# Altium PCB Batt_monitor.PcbDoc (part 1 of 2)
Units mm, origin at the board's own origin, x right, y up, seen from the top; angles counter-clockwise.
Board outline 100 x 48.5 mm, 2 copper layers (Top Layer, Bottom Layer), stack 1.58 mm thick; 113 components, 84 nets, 409 pads, 963 vias.
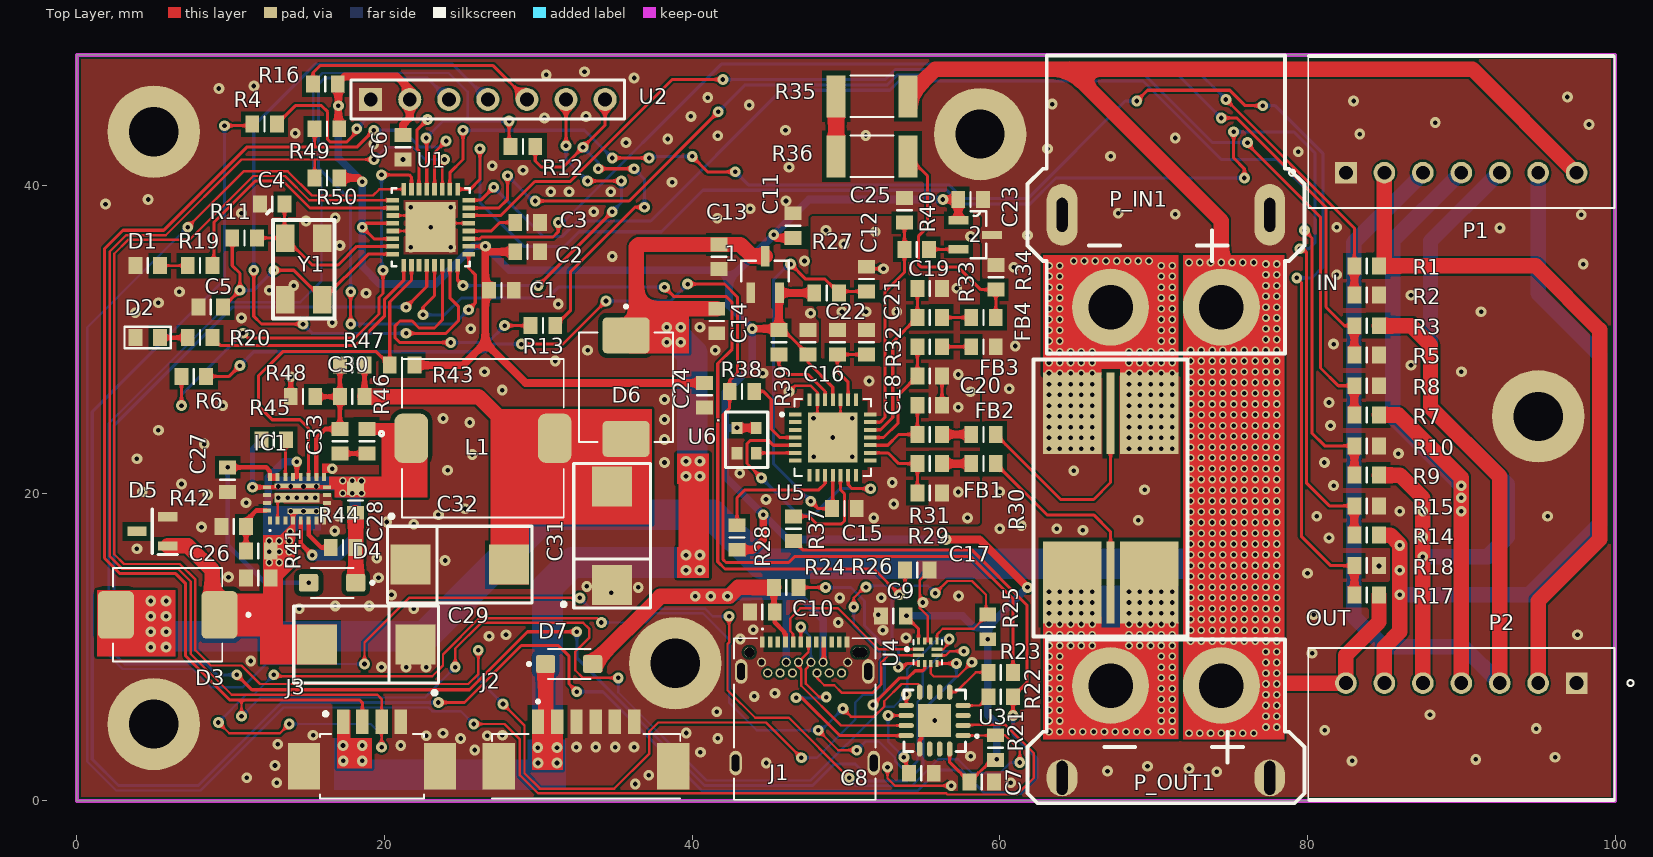
[diagram p0: Top Layer view]
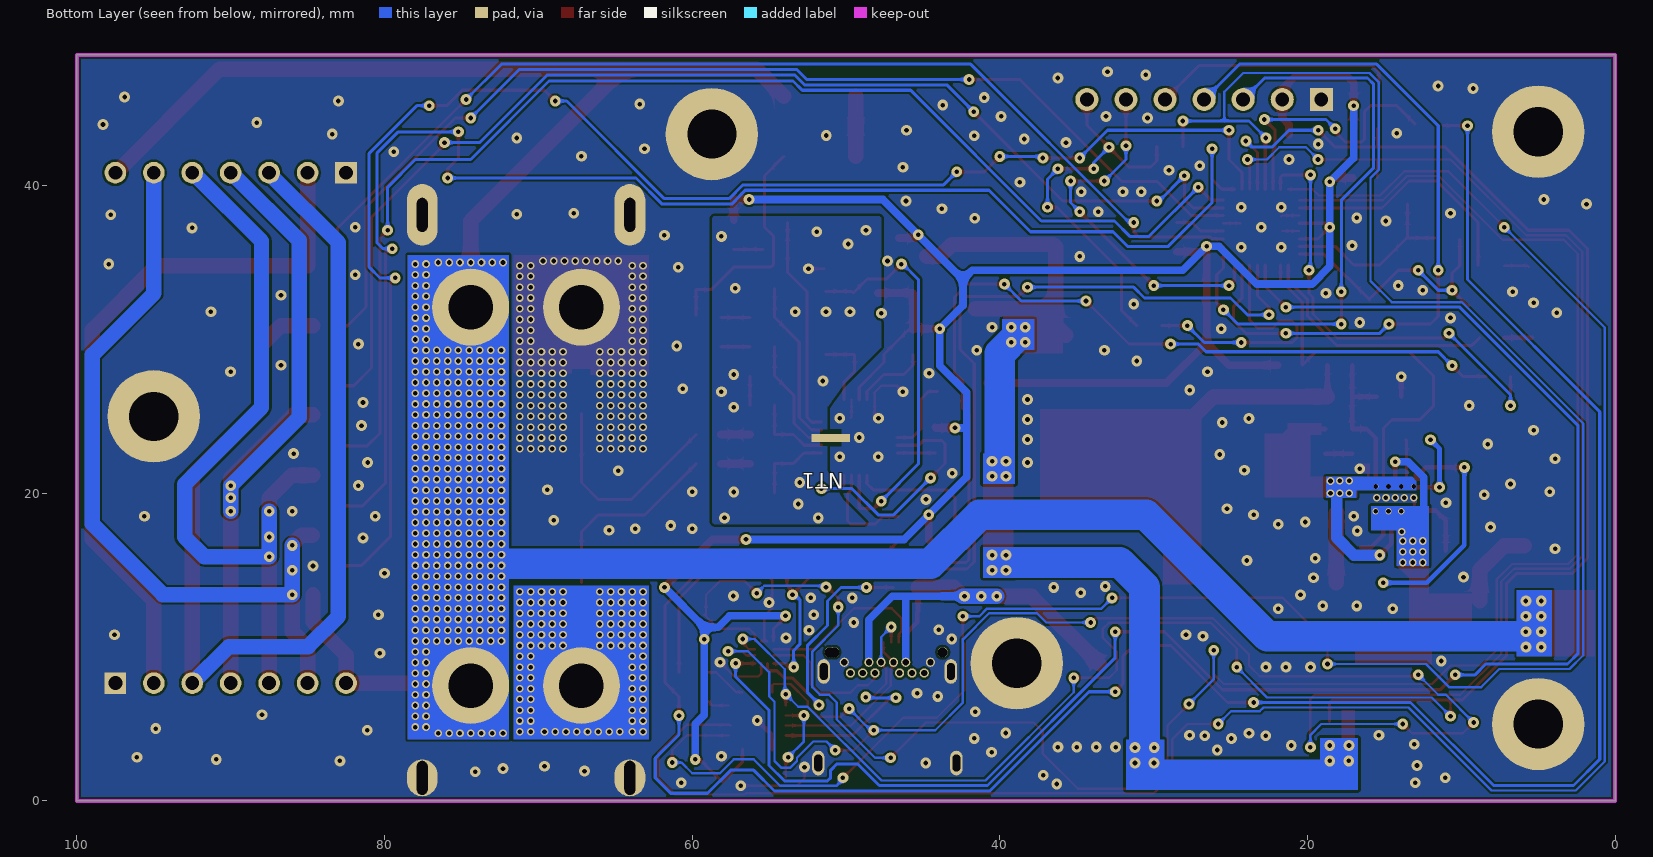
[diagram p1: Bottom Layer view, seen from below]
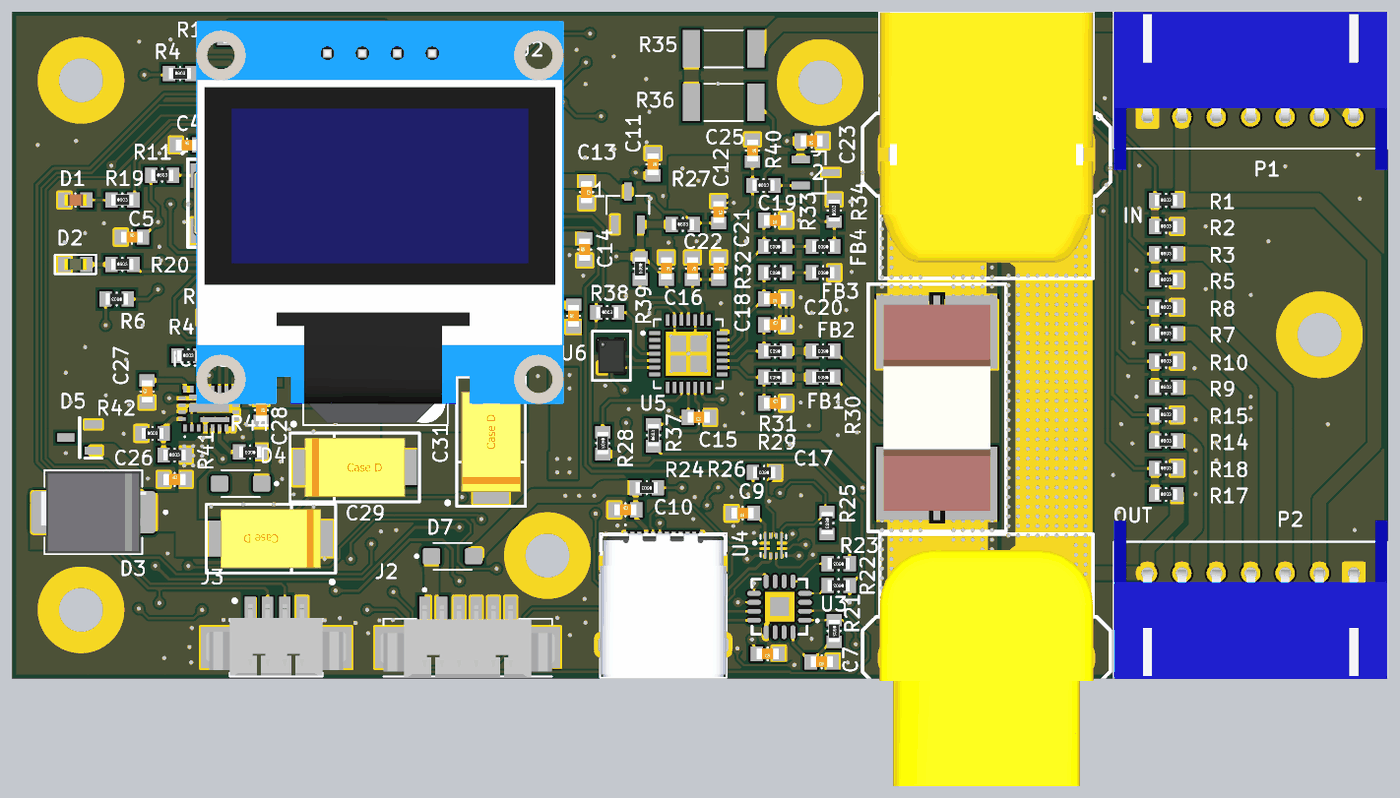
[diagram p3: 3D render of the assembled board from above, using the file's embedded part models]

## Layer stack, top to bottom
Top Solder: solder mask 0.0102, Solder Resist, Dk 3.5
Top Layer: signal copper 0.0356
Dielectric 1: dielectric 1.5086, FR-4, Dk 4.8
Bottom Layer: signal copper 0.0356
Bottom Solder: solder mask 0.0102, Solder Resist, Dk 3.5

## Board outline
0,0 100,0 100,48.5 0,48.5

## Design rules (kind name [scope] priority, off if disabled: settings)
Clearance [All] p1: gap=0.15 ignorepadtopadclearanceinfootprint=FALSE except(0: Arc-Hole Track-Hole SMDPad-Hole THPad-Hole Via-Hole Fill-Hole Poly-Hole Region-Hole Text-Hole; 0.3: SMDPad-Poly)
DiffPairsRouting [All] p1: maxlimit=0.2 minlimit=0.2 mostfreqgap=0.2 toplayer_minwidth=0.2 toplayer_maxwidth=0.2 toplayer_prefwidth=0.2 bottomlayer_minwidth=0.2 bottomlayer_maxwidth=0.2 bottomlayer_prefwidth=0.2 maxuncoupledlength=12.7
PlaneClearance [All] p1: clearance=0.5
PlaneConnect [All] p1: planeconnectstyle=Direct reliefexpansion=0.508 reliefentries=4 reliefconductorwidth=0.254 reliefairgap=0.254
PolygonConnect [All] p1: connectstyle=Direct reliefconductorwidth=0.254 reliefentries=4 polygonreliefangle="90 Angle" airgapwidth=0.254
RoutingVias [All] p1: holewidth=0.3 width=0.7 viastyle="Through Hole" minholewidth=0.3 minwidth=0.4 maxholewidth=0.3 maxwidth=0.7
SilkToSolderMaskClearance [IsPad] p1: minsilkscreentomaskgap=0.1 clearancetoexposedcopper=TRUE
SolderMaskExpansion [All] p1: expansion=0.15 istentingtop=FALSE
UnpouredPolygon [All] p1 off:
Width [All] p1: maxlimit=3 minlimit=0.1 preferedwidth=0.2 toplayer_minwidth=0.15 minimp=50.000000 maximp=50.000000 favimp=50.000000
25 further rules are at their usual default settings.

## Classes and differential pairs
component class uC: BT1 C1 C2 C3 C4 C5 C6 D1 D2 EEPROM1 J3 P1 P2 P5 R1 R2 R3 R4 R5 R6 R7 R8 R9 R10 R11 R12 R13 R14 R15 R16 R17 R18 R19 R20 R49 R50 RTC1 U1 U2 Y1 Y2
component class Power: C26 C27 C28 C29 C30 C31 C32 C33 D3 D4 D5 D6 D7 IC1 J2 L1 R41 R42 R43 R44 R45 R46 R47 R48
component class MCP39F511A: 1 2 C11 C12 C13 C14 C15 C16 C17 C18 C19 C20 C21 C22 C23 C24 C25 FB1 FB2 FB3 FB4 NT1 P_IN1 P_OUT1 R27 R28 R29 R30 R31 R32 R33 R34 R35 R36 R37 R38 R39 R40 U5 U6 U9
component class usb: C7 C8 C9 C10 J1 R21 R22 R23 R24 R25 R26 U3 U4

## Components (designator, comment, footprint, x,y, rotation, side; value= is the part's Value field where it differs from the comment)
1 "MCP1703T-3302E/CB" SOT95P300X145-3N 44.739,34.224 r0 top
2 "MCP9700AT-E/TT" SOT95P237X112-3N 58.4,36.8 r0 top
C1 "" CAP0603M 27.6,33.2 r0 top
C2 "" CAP0603M 29.3,35.7 r0 top
C3 "" CAP0603M 29.3,37.6 r0 top
C4 "Cap" CAP0603M 12.7,38.8 r0 top
C5 "Cap" CAP0603M 8.7,32.1 r0 top
C6 "" CAP0603M 21.2,42.5 r270 top
C7 "" CAP0603M 58.83,1.225 r180 top
C8 "" CAP0603M 54.9,1.8 r180 top
C9 "" CAP0603M 53.08,12.029 r180 top
C10 "" CAP0603M 44.564,12.275 r0 top
C11 "" CAP0603M 46.564,37.4 r270 top
C12 "" CAP0603M 51.339,33.925 r270 top
C13 "" CAP0603M 41.739,35.374 r270 top
C14 "" CAP0603M 41.6,31.2 r90 top
C15 "" CAP0603M 49.9,19 r180 top
C16 "" CAP0603M 47.539,29.824 r270 top
C17 "" CAP0603M 55.439,20.024 r0 top
C18 "" CAP0603M 55.439,25.724 r0 top
C19 "" CAP0603M 55.439,33.324 r180 top
C20 "" CAP0603M 55.439,27.624 r180 top
C21 "" CAP0603M 51.339,29.824 r270 top
C22 "" CAP0603M 49.439,29.825 r270 top
C23 "" CAP0603M 58.1,39.1 r180 top
C24 "" CAP0603M 40.796,26.375 r90 top
C25 "" CAP0603M 53.8,38.4 r270 top
C26 "" CAP0603M 11.8,14.48 r0 top
C27 "" CAP0603M 9.8,20.88 r90 top
C28 "" CAP0603M 18.1,19.53 r270 top
C29 "" "Tantal D" 18.8,10.18 r180 top
C30 "" CAP0603M 17.9,26.28 r0 top
C31 "" "Tantal D" 34.8,17.23 r90 top
C32 "" "Tantal D" 24.9,15.355 r0 top
C33 "" CAP0603M 17.1,23.38 r270 top
D1 "LED234" LED0603M_RED 4.6,34.8 r180 top
D2 "LED234" LED0603M_GREEN 4.6,30.12 r180 top
D3 "B540C-13-F" B540C-13-F 5.9,12.1 r180 top
D4 "SS14FL" SODFL3617X108N 16.6,14.18 r180 top
D5 "CDSOT23-T15LC" SOT95P230X117-3N 4.9,17.53 r180 top
D6 "B540C-13-F" B540C-13-F 35.7,26.897 r270 top
D7 "SS14FL" SODFL3617X108N 32,8.9 r0 top
FB1 "" RES0603M 58.939,21.925 r180 top
FB2 "" RES0603M 58.939,23.824 r180 top
FB3 "" RES0603M 58.939,29.524 r180 top
FB4 "" RES0603M 58.939,31.424 r180 top
IC1 "MIC285131YFLTR" MIC285131YFLTR 14.3,19.63 r0 top
J1 "12401548E4#2A" 12401548E4#2A 47.314,5.325 r0 top
J2 "53261-0671" 53261-0671 33.1,5.159 r0 top
J3 "0532610471" 0532610471 19.185,5.159 r0 top
L1 "SRR1050A-6R8Y" SRR1050A-6R8Y 26.4,23.58 r0 top
NT1 "Net Tie" NET_TIE_0.5mm 51,23.6 r180 bottom net-tie
P1 "Header 7" S7B-XH-A-1 90,44.3 r0 top
P2 "Header 7" S7B-XH-A-1 90,4.2 r180 top
P_IN1 "IN" XT60PW-M 70.8,32.1 r0 top
P_OUT1 "OUT" XT60PW-F 70.8,7.5 r180 top
R1 "Res1" RES0603M 83.85,34.78 r0 top
R2 "Res1" RES0603M 83.849,32.88 r0 top
R3 "Res1" RES0603M 83.849,30.893 r0 top
R4 "Res1" RES0603M 12.2,44 r0 top
R5 "Res1" RES0603M 83.85,28.993 r0 top
R6 "Res1" RES0603M 7.6,27.6 r180 top
R7 "Res1" RES0603M 83.85,25.093 r0 top
R8 "Res1" RES0603M 83.849,26.993 r0 top
R9 "Res1" RES0603M 83.85,21.18 r0 top
R10 "Res1" RES0603M 83.85,23.08 r0 top
R11 "Res1" RES0603M 10.9,36.6 r0 top
R12 "Res1" RES0603M 29,42.544 r0 top
R13 "Res1" RES0603M 30.3,30.9 r0 top
R14 "Res1" RES0603M 83.849,17.28 r0 top
R15 "Res1" RES0603M 83.849,19.18 r0 top
R16 "Res1" RES0603M 16.156,46.6 r180 top
R17 "Res1" RES0603M 83.849,13.393 r0 top
R18 "Res1" RES0603M 83.85,15.293 r0 top
R19 "Res1" RES0603M 8.005,34.8 r0 top
R20 "Res1" RES0603M 8.005,30.12 r0 top
R21 "Res1" RES0603M 59.73,3.465 r270 top
R22 "Res1" RES0603M 60.055,6.773 r180 top
R23 "Res1" RES0603M 60.055,8.357 r180 top
R24 "Res1" RES0603M 46.114,13.88 r180 top
R25 "Res1" RES0603M 59.214,11.311 r270 top
R26 "Res1" RES0603M 54.639,15 r180 top
R27 "" RES0603M 48.739,33.025 r0 top
R28 "Resistor" RES0603M 42.914,17.124 r270 top
R29 "Resistor" RES0603M 55.439,21.924 r180 top
R30 "Shunt 4 Pin" 5931 67.2,19.7 r270 top
R31 "Resistor" RES0603M 55.439,23.824 r180 top
R32 "Resistor" RES0603M 55.439,29.524 r180 top
R33 "Resistor" RES0603M 55.439,31.424 r180 top
R34 "Resistor" RES0603M 59.739,34.037 r90 top
R35 "Resistor" RES2010 51.7,45.8 r180 top
R36 "Resistor" RES2010 51.7,41.9 r180 top
R37 "Res1" RES0603M 46.6,17.7 r90 top
R38 "Res1" RES0603M 43.239,26.624 r0 top
R39 "Resistor" RES0603M 45.639,29.824 r270 top
R40 "Resistor" RES0603M 54.6,35.86 r0 top
R41 "Res1" RES0603M 11.8,16.255 r0 top
R42 "Res1" RES0603M 10.2,17.83 r0 top
R43 "Res1" RES0603M 21.14,28.33 r180 top
R44 "Res1" RES0603M 17.3,16.48 r180 top
R45 "Res1" RES0603M 12.8,23.48 r0 top
R46 "Res1" RES0603M 18.85,23.38 r270 top
R47 "Res1" RES0603M 17.9,28.33 r180 top
R48 "Res1" RES0603M 14.7,26.28 r180 top
R49 "Res1" RES0603M 16.256,43.7 r180 top
R50 "Res1" RES0603M 16.256,40.5 r180 top
U1 "ATMEGA328P-MN" QFN50P500X500X100-33N 23,37.3 r0 top
U2 "SSD1306" SSD1306 19.1,45.6 r0 top
U3 "MCP2221" QFN65P400X400X95-17N 55.764,5.225 r180 top
U4 "TUSB320LIRWBR" 12-x2qfn 55.314,9.665 r0 top
U5 "MCP39F511 QFN-28" QFN50P500X500X100-29N 49.139,23.624 r0 top
U6 "OSCILLATOR DSC1001" DSC60xx 43.539,23.424 r270 top
Y1 "XTAL" ABM3B 14.76,34.574 r270 top

## Footprints (in the part's own frame and the unit in brackets; to place one, negate y for a bottom-side part, rotate by r counter-clockwise, add the part's x,y. Pads: shape width x height; smd on the part's side, far side on the other; paste and mask are expansions set on the pad)
12-x2qfn [mm]
  rect 0.7x0.22 smd paste-1 mask+0: 1(-0.6,0.2) 2(-0.6,-0.2) 7(0.6,-0.2) 8(0.6,0.2)
  rect 0.22x0.45 smd paste-1 mask+0: 3(-0.6,-0.725) 4(-0.2,-0.725) 5(0.2,-0.725) 6(0.6,-0.725) 9(0.6,0.725) 10(0.2,0.725) 11(-0.2,0.725) 12(-0.6,0.725)
  silkscreen extent -1.45,-0.8 0.93,0.8
5931 [mm]
  rect 5.3x3.8 smd: 1(-5.5,2.5) 1(-5.5,-2.5) 2(5.5,2.5) 2(5.5,-2.5)
  rect 5.3x0.5 smd: 3(-5.5,0) 4(5.5,0)
  silkscreen extent -9,-5 9,5, body extent -7.5,-3.87 7.5,3.88, height 2
53261-0671 [mm]
  rect 0.8x1.6 smd: 1(-3.125,0) 2(-1.875,0) 3(-0.625,0) 4(0.625,0) 5(1.875,0) 6(3.125,0)
  rect 2.1x3 smd: S1(-5.675,-2.9) S2(5.675,-2.9)
  silkscreen extent -6.12,-5 6.12,1.4, body extent -6.32,-5.04 6.33,0.16, height 3.4
12401548E4#2A [mm]
  rect 0.3x0.7 smd: A1(-2.75,5) A2(-2.25,5) A3(-1.75,5) A4(-1.25,5) A5(-0.75,5) A6(-0.25,5) A7(0.25,5) A8(0.75,5) A9(1.25,5) A10(1.75,5) A11(2.25,5) A12(2.75,5)
  round 0.6 hole 0.4: B1(2.8,3.69) B2(2.4,2.99) B3(1.6,2.99) B4(1.2,3.69) B5(0.8,2.99) B6(0.4,3.69) B7(-0.4,3.69) B8(-0.8,2.99) B9(-1.2,3.69) B10(-1.6,2.99) B11(-2.4,2.99) B12(-2.8,3.69)
  oval 0.8x1.6 hole 0.5 slot 1.1 at 90 deg: SH1(-4.13,3.09) SH2(4.13,3.09) SH3(-4.49,-2.86) SH4(4.49,-2.86)
  round 0.65 hole 0.65 unplated: ""(-3.6,4.34) ""(3.45,4.34) ""(3.75,4.34)
  silkscreen extent -4.6,-5.25 4.6,5.9, body extent -4.6,-5.21 4.6,5.29, height 3.39
0532610471 [mm]
  rect 0.8x1.6 smd: 1(-1.875,0) 2(-0.625,0) 3(0.625,0) 4(1.875,0)
  rect 2.1x3 smd: S1(-4.425,-2.9) S2(4.425,-2.9)
  silkscreen extent -3.37,-5 3.37,0.62, body extent -5.07,-4.95 5.07,0.25, height 3.5
ABM3B [mm]
  rect 1.8x1.2 smd: 1(-2,-1.2) 2(2,-1.2) 3(2,1.2) 4(-2,1.2)
  silkscreen extent -3.8,-2.4 3.2,2, body extent -2.5,-1.6 2.5,1.6, height 1.1
B540C-13-F [mm]
  rrect25% 2.33x3.07 smd: A(3.365,0) C(-3.365,0)
  silkscreen extent -5.35,-3.05 3.55,3.05, body extent -3.98,-2.95 3.97,2.95, height 1
CAP0603M [mm] "Chip Resistor, Body 1.6x0.8mm, IPC Low Density"
  rect 0.9x1.1 smd: 1(-0.8,0) 2(0.8,0)
  silkscreen extent 0,-0.47 0,0.48, body extent -0.8,-0.4 0.8,0.4, height 0.3
DSC60xx [mm]
  rect 0.8x0.7 smd: 1(-0.825,-0.625) 2(0.825,-0.625) 3(0.825,0.625) 4(-0.825,0.625)
  silkscreen extent -1.85,-1.37 1.75,1.38, body extent -1.28,-0.97 1.22,1.03, height 0.82
LED0603M_GREEN [mm] "Chip Resistor, Body 1.6x0.8mm, IPC Low Density"
  rect 0.9x1.1 smd: 1(-0.8,0) 2(0.8,0)
  silkscreen extent -1.5,-0.7 1.5,0.7, body extent -0.81,-0.4 0.81,0.4, height 1.1
LED0603M_RED [mm] "Chip Resistor, Body 1.6x0.8mm, IPC Low Density"
  rect 0.9x1.1 smd: 1(-0.8,0) 2(0.8,0)
  silkscreen extent 0,-0.47 0,0.48, body extent -0.81,-0.4 0.81,0.4, height 1.1
MIC285131YFLTR [mil]
  rect 10x20 smd: 1(-68.9,-55.12) 2(-49.21,-55.12) 3(-29.53,-55.12) 4(-9.84,-55.12) 5(10,-55.12) 6(30,-55.12) 7(50,-55.12) 8(69,-55.12) 13(69,56) 14(50,56) 15(30,56) 16(10,56) 17(-9.84,56) 18(-29.53,56) 19(-49.21,56) 20(-68.9,56)
  rect 20x10 smd: 9(77,-29.53) 10(77,-9.84) 11(77,10) 12(77,30) 21(-76.77,30) 22(-76.77,10) 23(-76.77,-9.84) 24(-76.77,-29.53)
  rect 82x14.96 smd: 25(17,-31.3)
  rect 115x24 smd: 26(0,3)
  rect 115x11.81 smd: 27(0,34)
  silkscreen extent -71,-83 -67,-79, body extent -80,-55 80,55, height 39
NET_TIE_0.5mm [mm]
  rect 0.8x0.5 smd paste-2 mask+0.15: 0(0,0)
  rect 1x0.5 smd paste-2 mask+0.15: 1(0.75,0) 2(-0.75,0)
QFN50P500X500X100-29N [mm]
  rect 0.81x0.26 smd: 1(-2.45,1.5) 2(-2.45,1) 3(-2.45,0.5) 4(-2.45,0) 5(-2.45,-0.5) 6(-2.45,-1) 7(-2.45,-1.5) 15(2.45,-1.5) 16(2.45,-1) 17(2.45,-0.5) 18(2.45,0) 19(2.45,0.5) 20(2.45,1) 21(2.45,1.5)
  rect 0.26x0.81 smd: 8(-1.5,-2.45) 9(-1,-2.45) 10(-0.5,-2.45) 11(0,-2.45) 12(0.5,-2.45) 13(1,-2.45) 14(1.5,-2.45) 22(1.5,2.45) 23(1,2.45) 24(0.5,2.45) 25(0,2.45) 26(-0.5,2.45) 27(-1,2.45) 28(-1.5,2.45)
  rect 3.25x3.25 smd paste-3: 29(0,0)
  silkscreen extent -3.4,-2.5 2.5,2.5
QFN50P500X500X100-33N [mil]
  rect 32x12 smd: 1(-97,69) 2(-97,49) 3(-97,30) 4(-97,10) 5(-97,-10) 6(-97,-30) 7(-97,-49) 8(-97,-69) 17(97,-69) 18(97,-49) 19(97,-30) 20(97,-10) 21(97,10) 22(97,30) 23(97,49) 24(97,69)
  rect 12x32 smd: 9(-69,-97) 10(-49,-97) 11(-30,-97) 12(-10,-97) 13(10,-97) 14(30,-97) 15(49,-97) 16(69,-97) 25(69,97) 26(49,97) 27(30,97) 28(10,97) 29(-10,97) 30(-30,97) 31(-49,97) 32(-69,97)
  rect 128x128 smd: 33(0,0)
  silkscreen extent -100,-100 100,100
QFN65P400X400X95-17N [mm]
  oval 1x0.35 smd: 1(-1.85,0.975) 2(-1.85,0.325) 3(-1.85,-0.325) 4(-1.85,-0.975) 9(1.85,-0.975) 10(1.85,-0.325) 11(1.85,0.325) 12(1.85,0.975)
  oval 0.35x1 smd: 5(-0.975,-1.85) 6(-0.325,-1.85) 7(0.325,-1.85) 8(0.975,-1.85) 13(0.975,1.85) 14(0.325,1.85) 15(-0.325,1.85) 16(-0.975,1.85)
  rect 2.15x2.15 smd paste-2: 17(0,0)
  silkscreen extent -2.85,-2 2,2
RES0603M [mm] "Chip Resistor, Body 1.6x0.8mm, IPC Low Density"
  rect 0.9x1.1 smd: 1(-0.8,0) 2(0.8,0)
  silkscreen extent 0,-0.47 0,0.48, body extent -0.8,-0.41 0.8,0.41, height 0.45
RES2010 [mm]
  rect 1.24x2.72 smd: 1(-2.34,0) 2(2.34,0)
  silkscreen extent -1.4,-1.35 1.4,1.35
S7B-XH-A-1 [mm]
  rect 1.408x1.408 hole 0.9: 1(-7.5,-3.46)
  round 1.408 hole 0.9: 2(-5,-3.46) 3(-2.5,-3.46) 4(0,-3.46) 5(2.5,-3.46) 6(5,-3.46) 7(7.5,-3.46)
  silkscreen extent -11.2,-5.75 9.95,4.14, body extent -9.95,-7.31 9.95,4.19, height 6.15
SODFL3617X108N [mm]
  rrect25% 1.25x1.16 smd: A(1.53,0) C(-1.53,0)
  silkscreen extent -2.71,-0.97 1.38,0.97
SOT95P230X117-3N [mm]
  rect 1.25x0.6 smd: 1(-1,0.95) 2(-1,-0.95) 3(1,0)
  silkscreen extent -1.63,-1.45 0.03,1.5
SOT95P237X112-3N [mil]
  rect 52x22 smd: 1(-43,37) 2(-43,-37)
  rect 52x20 smd: 3(43,0)
  silkscreen extent -11,-60 28,60
SOT95P300X145-3N [mil]
  rect 22x52 smd: 1(-37,-47) 2(37,-47) 3(0,47)
  silkscreen extent -61,-17 61,35
SRR1050A-6R8Y [mm]
  rrect50% 2.19x3.21 smd: 1(-4.66,0) 2(4.66,0)
  silkscreen extent -6.74,-5.15 5.25,5.15, body extent -5.1,-5 5.1,5, height 4.9
SSD1306 [mm] "Connector; Header; 7 Position"
  rect 1.5x1.5 hole 0.9: 1(0,0)
  round 1.5 hole 0.9: 2(2.54,0) 3(5.08,0) 4(7.62,0) 5(10.16,0) 6(12.7,0) 7(15.24,0)
  silkscreen extent -1.27,-1.27 16.51,1.27, body extent -5.73,-25.64 20.97,2.22, height 11.47
"Tantal D" [mm] "Capacitor, SM Tantalum; Body 7.3 x 6.0 mm (LxW typ)"
  rect 2.6x2.6 smd: 1(-3.2,0) 2(3.2,0)
  silkscreen extent -4.7,-2.5 4.7,3.27, body extent -3.65,-2.15 3.65,2.15, height 2.8
XT60PW-F [mm]
  oval 2x2.4 hole 0.7 slot 2.2 at 90 deg: 1(-6.75,6) 1(6.75,6)
  round 5 hole 2.9: 1(-3.6,0) 2(3.6,0)
  silkscreen extent -9,-3 9,7.65, body extent -7.75,-1.85 7.75,15.35, height 0.5
XT60PW-M [mm]
  oval 2x4 hole 0.7 slot 2.2 at 90 deg: 1(-6.75,6) 1(6.75,6)
  round 5 hole 2.9: 1(-3.6,0) 2(3.6,0)
  silkscreen extent -9,-3 9,16.35, body extent -7.75,-1.85 7.75,16.35, height 0.75

## Part data
1: "Linear Voltage Regulator IC 1 Output 250mA SOT-23A-3"
2: "Temperature Sensor Analog, Local -40Â°C ~ 125Â°C 10mV/Â°C SOT-23-3"
C1 C2 C3 C6 C9 C10 C12 C26 C27 C28 C29 C30 C31 C32 C33: library part CAP1183, "Capacitor"
C4 C5: "Capacitor"
C7 C14 C15 C16 C22 C23 C24 C25: library part CAP1345, "Capacitor"
C8: library part CAP1224, "Capacitor"
C11 C13 C21: library part CAP1288, "Capacitor"
C17 C18 C19 C20: library part CAP1257, "Capacitor"
D1 D2: library part LED0, "Typical INFRARED GaAs LED"
D3 D6: "Diode Schottky 40V 5A Surface Mount SMC"
D4 D7: "Diode Schottky 40V 1A Surface Mount SOD-123F"
D5: library part CDSOT23-T24CAN, "40V Clamp 8A _8/20Âµs_ Ipp Tvs Diode Surface Mount SOT-23"
FB1 FB2 FB3 FB4: library part IND1351
IC1: library part MIC28513-1YFL-TR
J1: "USB-C _USB TYPE-C_ USB 3.1 _USB 3.1 Gen 2, Superspeed+_ Receptacle Connector 24 Position Surface Mount, Right Angle; Through Hole"
J2: "Picoblade Connector, 6 Circuit Single Row, Right Angle Surface Mount SMT PCB"
J3: "Picoblade Connector, 4 Circuit Single Row, Right Angle Surface Mount SMT PCB"
L1: library part Inductor, "Inductor"
NT1: library part RES1102
P1 P2: "Header, 7-Pin"
P_IN1 P_OUT1: library part "Header 2", "Header, 2-Pin"
R1 R2 R3 R4 R5 R6 R7 R8 R9 R10 R11 R12 R13 R14 R15 R16 R17 R18 R19 R20 R21 R22 R23 R24 R25 R26 R37 R38 R41 R42 R43 R44 R45 R46 R47 R48 R49 R50: "Resistor"
R27: library part RES1305, "Resistor"
R28 R39: library part RSMT0439
R29 R31 R32 R33: library part RES1022
R30: library part RES1247, "Shunt"
R34: library part RSMT0138
R35 R36: library part RSMT1084
R40: library part RSMT1038
U1: "AVR AVRÂ® ATmega Microcontroller IC 8-Bit 20MHz 32KB _16K x 16_ FLASH 32-VQFN _5x5_"
U4: "Imported"
U5: library part MIC6226, "ADC"
U6: library part OSC1131
Y1: "Crystal Oscillator"

## Free pads (board coordinates)
  round 6 hole 3.2: 0(5,5) 0(5,43.5) 0(38.895,8.946) 0(58.72,43.35) 0(95,25)

## Via types
v1: diameter 0.5, hole 0.3, Top Layer to Bottom Layer, tented both sides, 559 vias
v2: diameter 0.7, hole 0.3, Top Layer to Bottom Layer, tented both sides, 397 vias
v3: diameter 0.31, hole 0.3, Top Layer to Bottom Layer, tented both sides, 4 vias
v4: diameter 0.4, hole 0.3, Top Layer to Bottom Layer, tented both sides, 3 vias

## Nets (pads, with @x,y where several pads share a name; then routed paths per layer and width w, separated by ;. In a path a pad name is that pad's centre, name@x,y a point inside that pad or via, vN(x,y) a via of type N, cw(c..) or ccw(c..) an arc to the next point about the centre after c; other vN are vias at no path point)
3.3VA: C12.2 C15.2 R27.2 U5.11 | length 26.4
  Top Layer w0.2: v2(46.4,34.9) 47.375,33.925 48.639,33.925 R27.2@49.539,33.025 49.639,33.125 C12.2@51.339,33.125 ; v2(47.714,19.486) 48.2,19 C15.2@49.1,19 ; C15.2@49.139,19.039 U5.11@49.139,21.174
  Bottom Layer w0.2: v2(46.4,34.9) 46.3,34.9 45.3,33.9 45.3,21.9 v2(47.714,19.486)
3.3VD: 1.2 2.1 C1.1 C2.1 C6.1 C7.2 C9.1 C11.2 C16.2 C23.2 C24.2 R16.1 R21.2 R25.2 R27.1 R28.2 R39.1 R43.1 R49.1 R50.1 U1.4 U1.6 U1.18 U2.2 U3.16 U4.12 U5.25 U6.1 U6.4 | length 184
  Top Layer w0.2: U1.6@20.536,36.538 19.312,36.538 v2(18.55,37.3) 18.804,37.554 U1.4@20.536,37.554 ; U1.18@25.464,36.055 v2(26.555,36.055) ; R39.1@45.639,30.624 45.939,30.624 C16.2@47.539,29.024 47.539,28.497 49.139,26.897 U5.25@49.139,26.074 ; C9.1@53.88,12.029 54.714,11.196 U4.12@54.714,10.39 ; U3.16@56.739,3.375 56.739,2.516 C7.2@58.03,1.225 59.47,2.665 R21.2@59.73,2.665
  Top Layer w0.5: R49.1@17,43.756 v2(17,45.2) 17,46.679 17.421,47.1 20.8,47.1 21.64,46.26 U2.2@21.64,45.6 21.64,44.4 21.2,43.96 C6.1@21.2,43.3 ; R50.1@17.056,40.5 18.301,40.5 v2(18.55,40.25) ; R43.1@21.94,28.329 25.099,28.329 26.555,29.785 ; v2(26.555,36.055) 26.555,29.785 ; 26.6,35.7 C2.1@28.5,35.7 ; C24.2@40.796,27.175 29.166,27.175 26.555,29.785 ; R28.2@42.914,16.324 43.963,16.324 44.614,16.975 v2(44.614,18.6) ; v2(42.914,24.249) 44.149,24.249 U6.4@44.2,24.3 ; v2(43.9,30.7) 45.563,30.7 R39.1@45.639,30.624 45.639,32.991 45.673,33.025 R27.1@47.939,33.025 ; v2(45.3,36.8) 45.5,36.6 C11.2@46.564,36.6 ; v2(56.3,39.1) C23.2@57.3,39.1 2.1@57.3,37.748 ; v2(56.5,17) 58.68,17 v2(61.8,13.88)
  Bottom Layer w0.5: v2(17,45.2) 17,41.801 v2(18.55,40.25) v2(18.55,37.3) 18.55,34.75 19.7,33.6 23.3,33.6 25.755,36.055 v2(26.555,36.055) 28.111,34.5 41.8,34.5 42.4,33.9 ; 42.449,24.249 v2(42.914,24.249) ; v2(53.93,12.029) 57.571,12.029 58.306,11.294 59.214,11.294 ; v2(56.3,39.1) 47.6,39.1 42.4,33.9 ; v2(56.5,17) 46.214,17 v2(44.614,18.6) 42.15,21.064 42.15,26.55 43.9,28.3 v2(43.9,30.7) 42.4,32.2 42.4,33.9 ; v2(59.8,2.7) 59.8,5 59.214,5.586 v2(59.214,10.51) 59.214,11.294 ; v2(61.8,13.88) 59.214,11.294
5V_USB: 1.3 C13.1 C14.2 D6.C D7.C J2.1 J2.2 J3.1 | length 71.8
  Top Layer w0.5: J2.1@29.975,5.159 30.47,5.159
  Top Layer w1: 30.47,5.654 D7.C@30.47,8.9 ; D6.C@35.7,30.262 36.37,30.932 36.37,36.036 36.508,36.174 C13.1@41.739,36.174 43.126,36.174 43.882,35.418 1.3@44.739,35.418 ; 36.37,32 C14.2@41.6,32
  Top Layer w2: 40.1,15.5 40.1,21.6
  Bottom Layer w1: v2(17.298,3.6) v2@17.55,3.6
  Bottom Layer w2: 18.6,1.7 30,1.7 ; 30.675,2.925 30.6,3 30.6,13.9 32.2,15.5 40.1,15.5 ; 38.8,30.3 40,29.1 40,21.68
  other v2: 29.975,2.465 31.215,2.465 17.31,2.6 18.55,2.6 29.963,3.465 31.215,3.465 18.55,3.6 39.6,15 40.5,15 39.6,15.98 40.5,15.98 39.6,21.1 40.5,21.1 39.6,22.08 40.5,22.08 38.35,29.82 39.25,29.82 38.35,30.8 39.25,30.8
AGND: C12.1 C15.1 C17.2 C18.2 C19.1 C20.1 C21.1 C22.1 NT1.2 U5.21 | length 2.9
  Top Layer w0.152: C12.1@51.4,34.6 v2(52.439,34.6)
  Top Layer w0.2: C18.2@56.239,25.725 C20.1@56.239,27.624
  other v2: 51.8,18.4 57.9,18.4 53.1,19.3 57.3,20.08 53,20.7 57.3,25.6 58.1,26.6 51.5,27.3 57.3,27.724 49.739,31.8 51.3,31.8 53.3,31.8 57.2,33.324 49.864,36.206 58.1,36.7 51.9,37 48.7,37.1
"ANALOG TEMP": C25.2 R40.1 U5.20 | length 14.3
  Top Layer w0.2: U5.20@51.589,24.624 52.229,24.624 52.539,24.934 52.539,33.109 53.8,34.37 R40.1@53.8,35.86 C25.2@53.8,37.6
CLK_4MHZ: U5.6 U6.3 | length 2.5
  Top Layer w0.2: U6.3@44.189,22.624 U5.6@46.689,22.624
D\R\: U5.28
DC: U1.16 U2.6 | length 23.5
  Top Layer w0.2: U1.16@24.753,34.836 24.753,33.847 v2(25.1,33.5) ; v2(30,33.5) v2(34.8,38.3) ; v2(31.8,42.6) U2.6@31.8,45.6 ; v2(33.2,40.3) v2(35.4,40.3)
  Bottom Layer w0.2: v2(25.1,33.5) v2(30,33.5) ; v2(31.8,42.6) 31.8,41.7 v2(33.2,40.3) ; v2(34.8,38.3) 35.4,38.9 v2(35.4,40.3)
DGND: 1.1 2.3 C1.2 C2.2 C3.2 C4.1 C5.1 C6.2 C7.1 C8.1 C9.2 C10.1 C11.1 C13.2 C14.1 C16.1 C23.1 C24.1 C25.1 C26.1 C27.1 C29.1 C31.1 C32.1 D1.2 D2.2 D5.2 FB3.1 IC1.2 IC1.7 IC1.8 IC1.9 IC1.10 IC1.11 IC1.13 IC1.22 IC1.23 IC1.26 J1.A1 J1.A12 J1.B1 J1.B12 J1.SH1 J1.SH2 J1.SH3 J1.SH4 J2.3 J2.4 J2.5 J2.6 J2.S1 J2.S2 J3.4 J3.S1 J3.S2 NT1.1 P1.1 P2.1 P_IN1.1 P_OUT1.1@64.05,1.5 P_OUT1.1@77.55,1.5 pad.0 R2.2 R5.2 R8.2 R10.2 R15.2 R18.2 R26.1 R30.1 R34.2 R42.1 R48.2 U1.3 U1.5 U1.21 U1.33 U2.1 U3.13 U3.17 U4.5 U4.10 U4.11 U5.24 U5.27 U5.29 U6.2 Y1.2 Y1.4 | length 28.8
  Top Layer w0.152: IC1.26@13,19.6 13.05,19.55 IC1.2@13.05,18.23 ; IC1.13@16.053,21.052 16.053,21.453 16.2,21.6 v2(16.6,21.6) ; U1.5@20.536,37.046 U1.33@21.646,37.046 ; U1.3@20.536,38.062 21.638,38.062 U1.33@21.7,38 ; U1.33@24.354,37.554 U1.21@25.464,37.554 ; v2(46.3,26.6) 46.7,27 47.7,27 48.139,26.561 U5.27@48.139,26.074 48.139,24.961 U5.29@48.2,24.9 ; U5.24@49.639,26.074 49.639,24.961 U5.29@49.7,24.9 ; v2(52.7,2.2) 52.7,1.477 53.185,0.991 v2(56.837,0.991) ; U4.11@55.114,10.39 55.314,10.39 ; R26.1@55.438,15 54.802,14.364 54.802,12.527 55.314,12.016 55.314,10.39 ; U4.5@55.514,8.94 55.514,8.285 55.708,8.091 57.259,8.091 v2(58.183,9.015) ; U4.10@55.514,10.39 55.314,10.39
  Top Layer w0.3: R48.2@13.9,26.28 v2(13.9,27.58) ; U3.13@54.789,3.375 54.789,3.947 54.901,4.059 54.901,4.362 v2(55.764,5.225)
  other v1: 13.1,19.706 13.7,19.706 14.3,19.706 14.9,19.706 15.5,19.706 63.2,22.9 63.9,22.9 64.6,22.9 65.3,22.9 66,22.9 68.4,22.9 69.1,22.9 69.8,22.9 70.5,22.9 71.2,22.9 63.2,23.6 63.9,23.6 64.6,23.6 65.3,23.6 66,23.6 68.4,23.6 69.1,23.6 69.8,23.6 70.5,23.6 71.2,23.6 63.2,24.3 63.9,24.3 64.6,24.3 65.3,24.3 66,24.3 68.4,24.3 69.1,24.3 69.8,24.3 70.5,24.3 71.2,24.3 63.2,25 63.9,25 64.6,25 65.3,25 66,25 68.4,25 69.1,25 69.8,25 70.5,25 71.2,25 63.2,25.7 63.9,25.7 64.6,25.7 65.3,25.7 66,25.7 68.4,25.7 69.1,25.7 69.8,25.7 70.5,25.7 71.2,25.7 63.2,26.4 63.9,26.4 64.6,26.4 65.3,26.4 66,26.4 68.4,26.4 69.1,26.4 69.8,26.4 70.5,26.4 71.2,26.4 63.2,27.1 63.9,27.1 64.6,27.1 65.3,27.1 66,27.1 68.4,27.1 69.1,27.1 69.8,27.1 70.5,27.1 71.2,27.1 63.2,27.8 63.9,27.8 64.6,27.8 65.3,27.8 66,27.8 68.4,27.8 69.1,27.8 69.8,27.8 70.5,27.8 71.2,27.8 63.2,28.5 63.9,28.5 64.6,28.5 65.3,28.5 66,28.5 68.4,28.5 69.1,28.5 69.8,28.5 70.5,28.5 71.2,28.5 63.2,29.2 63.9,29.2 64.6,29.2 65.3,29.2 66,29.2 68.4,29.2 69.1,29.2 69.8,29.2 70.5,29.2 71.2,29.2 63.2,29.9 63.9,29.9 70.5,29.9 71.2,29.9 63.2,30.6 63.9,30.6 70.5,30.6 71.2,30.6 63.2,31.3 63.9,31.3 70.5,31.3 71.2,31.3 63.2,32 63.9,32 70.5,32 71.2,32 63.2,32.7 63.9,32.7 70.5,32.7 71.2,32.7 63.2,33.4 63.9,33.4 70.5,33.4 71.2,33.4 63.2,34.1 63.9,34.1 70.5,34.1 71.2,34.1 63.2,34.8 63.9,34.8 70.5,34.8 71.2,34.8 64.8,35.1 65.5,35.1 66.2,35.1 66.9,35.1 67.6,35.1 68.3,35.1 69,35.1 69.7,35.1
  other v2: 36.297,1.1 13,1.179 60.711,1.179 11.049,1.5 37.17,1.675 74.1,1.9 67,1.937 72.3,2.1 69.6,2.249 12.883,2.3 44.809,2.468 82.9,2.6 90.942,2.7 96.1,2.846 58.1,2.9 40.534,3.165 25.869,3.311 32.475,3.5 33.725,3.5 35,3.5 36.225,3.5 21.06,3.6 13.059,3.685 24.944,4.057 41.664,4.067 22.715,4.239 26.684,4.235 15.356,4.267 27.665,4.267 23.8,4.4 39.619,4.416 81.12,4.6 94.872,4.7 87.964,5.6 41.599,5.794 44.029,6.796 45.377,6.999 19.8,8.7 21.4,8.7 22.7,8.7 11.3,9.1 80.3,9.6 43.128,10.525 53.9,10.6 26.8,10.7 27.9,10.8 97.556,10.8 52.4,11.1 43.977,11.129 49.5,11.6 52.1,12.1 80.4,12.1 14.46,12.5 21.9,12.5 16.8,12.68 19,12.68 55,12.9 49.6,13.2 52.292,13.216 57.321,13.325 20.452,13.395 34.737,13.534 36.491,13.88 33.14,13.947 19.608,14.513 9.855,14.55 80,14.8 84.649,15.275 23.94,15.63 19.5,15.78 3.9,16.4 81.4,17.1 16.763,17.555 65.4,17.6 60,17.7 63.7,17.7 8.1,17.8 61.4,17.9 21.9,17.979 20.141,18.13 69,18.24 16.99,18.5 80.6,18.5 95.609,18.5 23.5,18.6 86.006,18.835 25.229,19 11,19.38 44.8,19.6 8.5,19.9 4.256,20.1 60,20.1 69.41,20.225 81.7,20.5 6.8,20.6 43.1,21.3 64.8,21.471 24.1,21.5 38.2,22 81.1,22 3.9,22.238 47.904,22.37 50.4,22.37 25.709,22.523 85.913,22.58 8.273,23.2 38.2,23.5 49.139,23.624 5.3,24.1 81.5,24.4 25.541,24.6 38.2,24.8 23.805,24.859 47.885,24.875 50.4,24.875 9.482,25.7 81.4,25.9 38.2,26.1 27.656,26.706 60.619,26.8 44.6,27.8 26.5,27.9 90.007,27.9 86.731,28.329 31.1,28.6 33.2,29.3 41.5,29.3 61,29.574 81.7,29.7 25.6,30.7 40.5,30.8 16.6,31.1 10.7,31.4 47.7,31.7 3.8,31.734 91.29,31.8 31.3,32.3 5.3,32.392 86.731,32.881 18.8,33 6.665,33.108 12.5,33.2 14.1,33.5 81.9,34.2 60.9,34.7 97.931,34.9 47.3,35.1 34.8,35.4 21.7,36 24.3,36 17.1,36.1 61.807,36.778 92.512,37.25 23,37.3 81.9,37.3 14.9,37.7 16.8,37.9 41.625,37.885 97.8,38.1 71.4,38.141 10.7,38.2 67.7,38.2 33.6,38.3 43.763,38.49 21.7,38.6 24.3,38.6 1.861,38.802 46.1,39 4.629,39.1 30.8,39.6 32,39.6 34.7,39.6 38.695,40.225 29,41 46.3,41.2 27,41.3 21.2,41.7 67.2,41.915 79.4,42.21 63.1,42.4 19.3,42.7 35.7,42.8 38.416,43.029 71.4,43.1 41.665,43.238 51.287,43.262 83.4,43.35 14.2,43.4 46.069,43.6 98.3,43.971 88.3,44.1 30.4,44.4 33.1,44.5 39.915,44.503 43.712,45.238 63.412,45.3 83,45.504 41.015,45.722 96.9,45.763 9.231,46.315 11.505,46.477 36.225,47 30.51,47.2 33.001,47.4
LED_1: R19.2 U1.2 | length 16.3
  Top Layer w0.2: R19.2@8.9,34.8 8.9,37.6 11.6,40.3 13.4,40.3 15.155,38.545 U1.2@20.536,38.545
LED_2: R20.2 U1.9 | length 16
  Top Layer w0.2: R20.2@8.805,30.12 9.326,29.6 18.08,29.6 19.99,31.51 19.99,32.585 21.247,33.842 U1.9@21.247,34.836
MCLR: R39.2 U5.26 | length 5
  Top Layer w0.2: R39.2@45.639,29.024 45.639,28.324 46.239,27.724 47.539,27.724 48.639,26.624 U5.26@48.639,26.074
MOSI: U1.15 U2.4 | length 48.2
  Top Layer w0.2: v2(11.5,34.5) 11.5,31.5 12,31 v2(14.7,31) ; v2(21.4,30.4) 24,30.4 24.8,31.2 24.8,32.149 24.245,32.704 U1.15@24.245,34.836
  Bottom Layer w0.2: v2(11.5,34.5) 11.5,43.9 15.5,47.9 24.42,47.9 U2.4@26.72,45.6 ; v2(14.7,31) 15.3,30.4 v2(21.4,30.4)
Net2_2: 2.2 R40.2 | length 1.9
  Top Layer w0.2: R40.2@55.4,35.86 2.2@57.308,35.86
NetC3_1: C3.1 U1.20 | length 3.3
  Top Layer w0.2: U1.20@25.464,37.046 26.946,37.046 27.5,37.6 C3.1@28.5,37.6
NetC8_2: C8.2 U3.10 | length 5.7
  Top Layer w0.152: v2(52.739,5.55) U3.10@53.914,5.55 ; v2(53.764,2.84) 53.914,2.69 C8.2@53.914,1.525
  Bottom Layer w0.152: v2(52.739,5.55) 52.739,3.865 v2(53.764,2.84)
NetC17_1: C17.1 R29.2 U5.16 | length 5.2
  Top Layer w0.2: U5.16@51.589,22.624 52.739,22.624 53.439,21.924 R29.2@54.639,21.924 C17.1@54.639,20.025
NetC18_1: C18.1 R31.2 U5.17 | length 5.2
  Top Layer w0.2: U5.17@51.589,23.124 52.714,23.124 53.414,23.824 R31.2@54.639,23.824 C18.1@54.639,25.725
NetC19_2: C19.2 R33.2 U5.19 | length 10.8
  Top Layer w0.2: U5.19@51.589,24.124 52.239,24.124 53.039,24.924 53.039,29.825 R33.2@54.639,31.424 C19.2@54.639,33.324
NetC20_2: C20.2 R32.2 U5.18 | length 7.7
  Top Layer w0.2: U5.18@51.589,23.624 52.439,23.624 53.389,24.574 53.389,26.375 C20.2@54.639,27.624 R32.2@54.639,29.524
NetC21_2: C21.2 C22.2 U5.23 | length 5.1
  Top Layer w0.2: U5.23@50.139,26.074 50.139,27.224 49.439,27.924 C22.2@49.439,29.024 C21.2@51.339,29.024
NetC26_2: C26.2 C29.2 D3.C D5.1 IC1.4 IC1.16 IC1.17 IC1.25 R41.2 | length 12.5
  Top Layer w0.3: 14.05,17.09 IC1.4@14.05,18.23 IC1.25@14.05,18.68 ; 14.3,21.052 v2(14.3,22.043)
  Top Layer w1: D5.1@5.9,16.58 7.22,16.58 8.8,15 D3.C@8.8,13
  Bottom Layer w0.5: 12.5,18.98 12.45,19.03 12.45,21.03 13.463,22.043 v2(14.3,22.043)
  other v1: 12.5,15.5 13.15,15.5 13.8,15.5 12.5,16.2 13.15,16.2 13.8,16.2 12.5,16.9 13.15,16.9 13.8,16.9 13.875,17.5
  other v4: 13.9,18.835 14.732,18.835 15.57,18.835
NetC27_2: C27.2 D4.A IC1.19 IC1.20 | length 14.6
  Top Layer w0.3: v2(9.8,21.68) 12.3,21.68 12.55,21.43 IC1.20@12.55,21.052
  Bottom Layer w0.3: v2(9.8,21.68) 9.8,16.63 12.25,14.18 v2(15.07,14.18)
NetC28_1: C28.1 IC1.5 IC1.12 IC1.21 IC1.27 L1.1 R45.1 R46.1 | length 28.1
  Top Layer w0.3: v2(11.413,20.392) IC1.21@12.35,20.392 IC1.12@16.256,20.392 20.312,20.392 21.74,21.82 L1.1@21.74,23.58 21.14,24.18 R46.1@18.85,24.18 ; IC1.5@14.554,18.23 14.554,16.726 v2(15.3,15.98)
  Bottom Layer w0.3: v2(11.413,20.392) 11.413,22.893 v2(12,23.48) ; v2(15.3,15.98) v2@15.4,15.88
  Bottom Layer w0.75: v2(15.3,15.98) 16.98,15.98 18.1,17.1 v1@18.1,20.1
  other v1: 17.29,20 17.898,20 18.5,20 17.29,20.805 17.898,20.805 18.5,20.8
  other v3: 13.1,20.444 13.91,20.444 14.732,20.444 15.55,20.444
NetC28_2: C28.2 D4.C R44.1 | length 4.6
  Top Layer w1: C28.2@18.1,18.729 18.13,18.699 D4.C@18.13,14.18